# Allegro board BeagleV-FIRE_REV-A_230911.brd (continued)
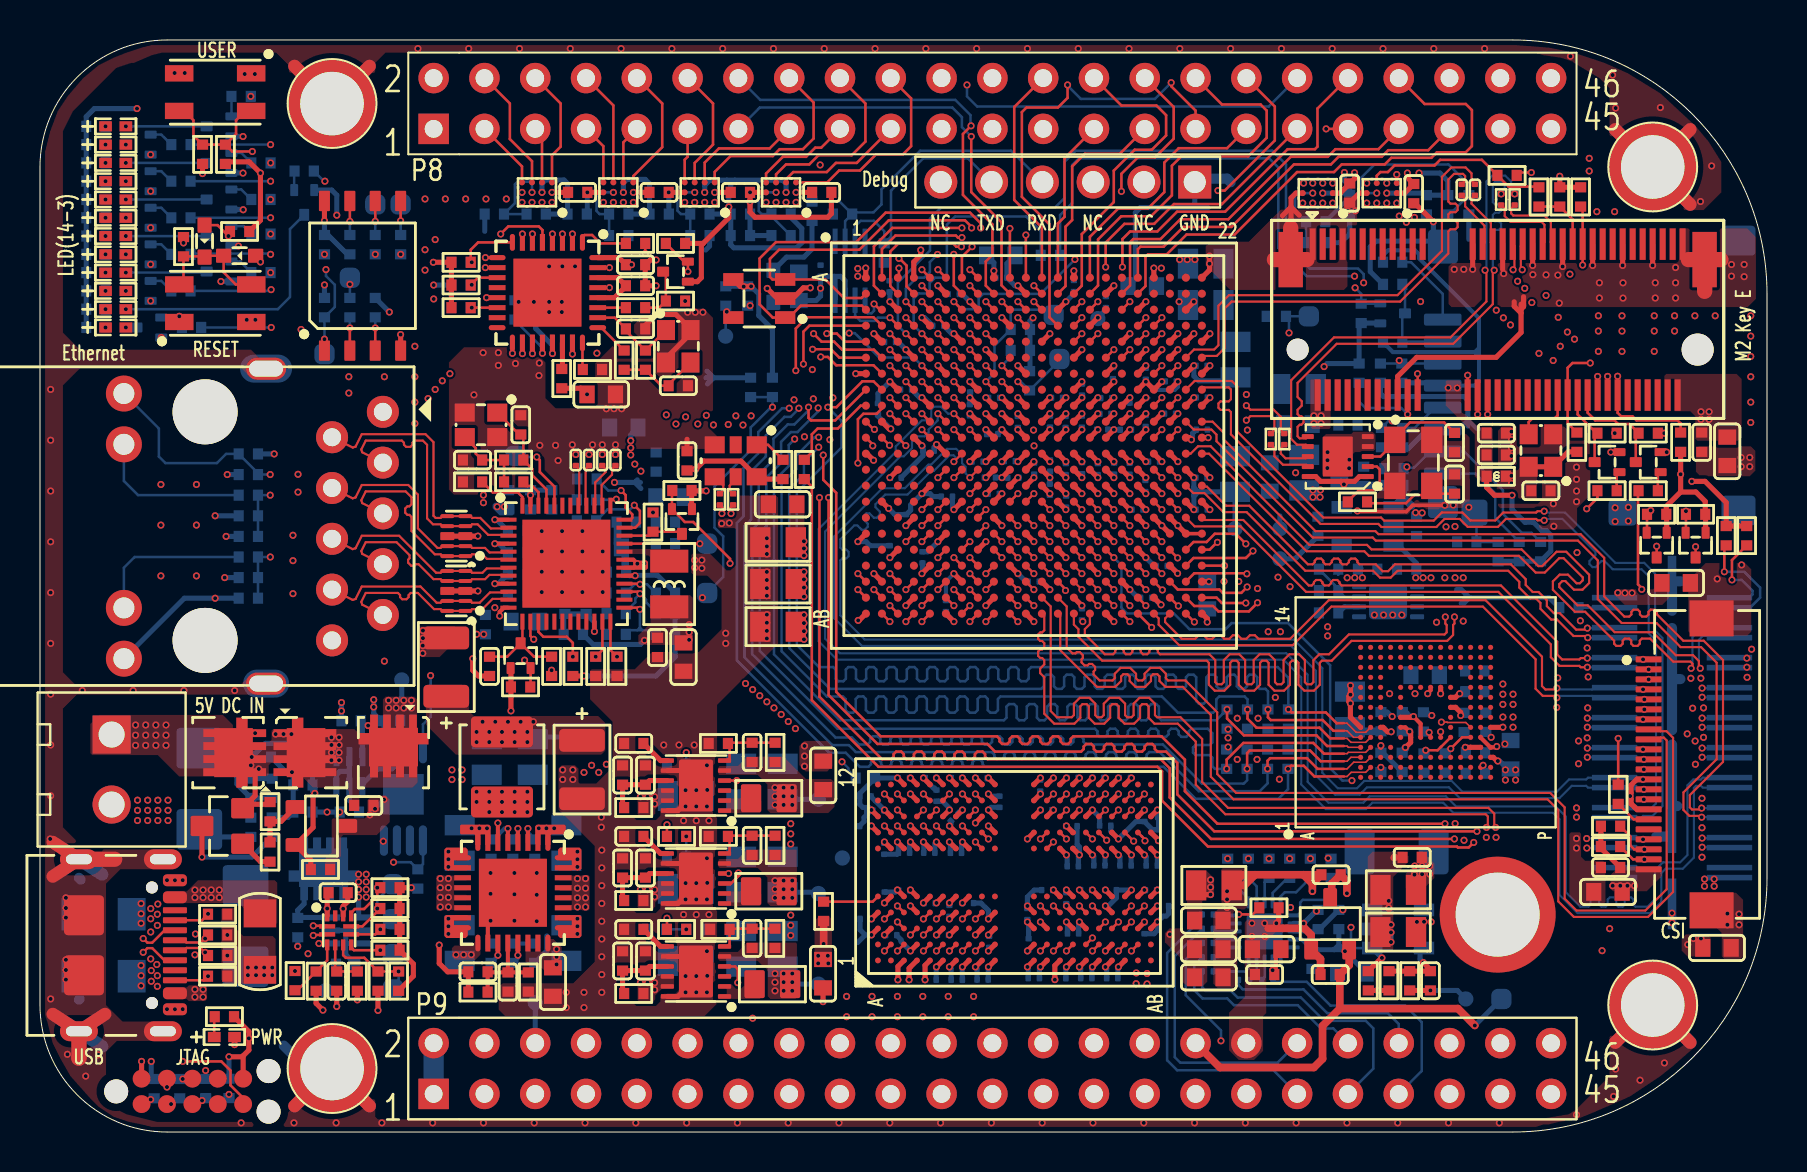
[diagram p0: board, top side]
## Routing (per net, layer and track width the routed paths; a pad name or vN(x,y) marks a point on that pad's centre or on a via; arc(x,y) is an arc through that point) (continued)
JTAT_TMS: length 78.9
  TOP w0.127: J3.5 10.16,1.7 9.53,2.34 9.53,3.07 9.07,3.53 v1(7.14,3.53) ; U1.F8 v1(46.5,39.12)
  L3_SIG1 w0.102: v1(36.35,21.51) 36.08,21.25 26.64,21.25 25.51,22.38 25.24,22.38 25.12,22.5 21.48,22.5 18.39,19.42 18.39,13.13 17.8,12.54 17.8,11.62 18.39,11.04 18.39,9.22 17.24,8.07 14.08,8.07 12.9,6.88 10.03,6.88 7.14,3.99 v1(7.14,3.53)
  L5_SIG2 w0.102: v1(36.35,21.51) 36.35,22.57 37.78,24 37.78,30.73 37.55,30.96 37.55,32.45 34.8,35.21 v1(34.8,35.81)
  L10_SIG3 w0.102: v1(34.8,35.81) 34.8,36.19 35.59,36.98 36.83,36.98 37.19,37.34 38.1,37.34 38.18,37.41 38.95,37.41 40.24,38.71 46.09,38.71 v1(46.5,39.12)
JTAT_TRSTB: length 76.6
  TOP w0.127: v1(7.14,2.65) 7.58,2.65 arc(7.6,2.66) J3.8 ; U1.G8 v1(46.5,38.32)
  L3_SIG1 w0.102: v1(7.14,2.65) 7.49,3.01 7.49,3.79 10.23,6.53 13.05,6.53 14.23,7.71 17.26,7.71 17.49,7.48 18.26,7.48 18.75,7.97 18.75,11.18 18.16,11.77 18.16,12.39 18.75,12.98 18.75,19.27 21.63,22.15 24.97,22.15 25.1,22.02 25.36,22.02 26.49,20.89 36.39,20.89 v1(36.7,21.21)
  L5_SIG2 w0.102: v1(36.7,21.21) 36.7,22.42 38.6,24.31 38.6,30.42 37.91,31.1 37.91,32.6 v1(35.15,35.36)
  L10_SIG3 w0.102: v1(46.5,38.32) 46.08,37.9 42.18,37.9 41.81,37.53 39.56,37.53 39.09,37.06 38.32,37.06 38.25,36.98 37.34,36.98 36.98,36.63 35.74,36.63 35.15,36.04 v1(35.15,35.36)
  BOTTOM w0.127: R17.1 v1(7.14,2.65)
LPDDR4_CA0: length 48.4
  TOP w0.127: U1.T5 v1(44.1,30.32) ; U2.R2 v1(50.68,9.05) ; U2.H2 v1(46.13,9.05)
  L5_SIG2 w0.102: v1(44.1,30.32) 43.87,30.32 42.5,31.69 41.51,31.69 41,31.18 41,30.07 41.27,29.8 41.27,25.24 41,24.97 41,23.08 41.1,22.98 41.38,22.98 41.48,22.87 41.48,22.67 41.38,22.57 41.1,22.57 41,22.47 41,22.27 41.1,22.16 41.38,22.16 41.48,22.06 41.48,21.86 41.38,21.76 41.1,21.76 41,21.66 41,21.45 41.1,21.35 41.38,21.35 41.48,21.25 41.48,21.05 41.38,20.94 41.1,20.94 41,20.84 41,20.64 41.1,20.54 41.38,20.54 41.48,20.44 41.48,20.23 41.38,20.13 41.1,20.13 41,20.03 41,19.83 41.1,19.73 41.38,19.73 41.48,19.62 41.48,19.42 41.38,19.32 41.1,19.32 41,19.22 41,19.01 41.1,18.91 41.38,18.91 41.48,18.81 41.48,18.61 41.38,18.51 41.1,18.51 41,18.4 41,18.2 41.1,18.1 41.38,18.1 41.48,18 41.48,17.79 41.38,17.69 41.1,17.69 41,17.59 41,13.15 42.57,11.58 42.57,11.18 42.75,11 43.04,11 43.04,11 47.64,11 47.77,10.86 47.77,9.14 48.29,8.62 50.07,8.62 50.51,9.05 v1(50.68,9.05)
  L8_PWR2 w0.102: v1(50.68,9.05) 50.18,9.55 49.13,9.55 49.03,9.45 49.03,9.09 48.93,8.99 48.73,8.99 48.63,9.09 48.63,9.45 48.52,9.55 48.32,9.55 48.22,9.45 48.22,9.09 48.12,8.99 47.91,8.99 47.81,9.09 47.81,9.45 47.71,9.55 46.62,9.55 v1(46.13,9.05)
LPDDR4_CA1: length 48.6
  TOP w0.127: U2.J2 v1(46.78,9.05) ; U1.T6 v1(44.9,30.32) ; U2.P2 v1(50.03,9.05)
  L5_SIG2 w0.102: v1(44.9,30.32) 44.49,29.92 43.08,29.92 42.9,29.73 42.76,29.73 42.53,29.96 42.39,29.96 42.25,29.82 42.25,29.67 42.47,29.45 42.47,29.3 42.06,28.89 42.06,26.98 41.92,26.84 41.92,24.93 41.82,24.83 41.63,24.83 41.53,24.73 41.53,24.52 41.63,24.42 41.82,24.42 41.92,24.32 41.92,24.12 41.82,24.01 41.63,24.01 41.53,23.91 41.53,23.71 41.63,23.61 41.82,23.61 41.92,23.51 41.92,22.83 42.02,22.73 42.27,22.73 42.37,22.63 42.37,22.42 42.27,22.32 42.02,22.32 41.92,22.22 41.92,22.02 42.02,21.92 42.27,21.92 42.37,21.81 42.37,21.61 42.27,21.51 42.02,21.51 41.92,21.41 41.92,17.88 42.02,17.77 42.42,17.77 42.52,17.67 42.52,17.47 42.42,17.37 42.02,17.37 41.92,17.27 41.92,17.02 41.82,16.92 41.52,16.92 41.41,16.82 41.41,16.61 41.52,16.51 41.82,16.51 41.92,16.41 41.92,14.75 41.82,14.65 41.52,14.65 41.41,14.55 41.41,14.34 41.52,14.24 41.82,14.24 41.92,14.14 41.92,13.89 42.02,13.79 42.43,13.79 42.53,13.69 42.53,13.48 42.43,13.38 42.02,13.38 41.92,13.28 41.92,12.97 42.48,12.41 44.14,12.41 44.24,12.31 44.24,12.09 44.34,11.99 44.54,11.99 44.65,12.09 44.65,12.31 44.75,12.41 44.95,12.41 45.05,12.31 45.05,12.09 45.15,11.99 45.36,11.99 45.46,12.09 45.46,12.31 45.56,12.41 45.76,12.41 45.86,12.31 45.86,12.09 45.97,11.99 46.17,11.99 46.27,12.09 46.27,12.31 46.37,12.41 46.83,12.41 48.31,10.93 48.45,10.93 48.77,11.26 48.92,11.26 49.06,11.12 49.06,10.97 48.74,10.65 48.74,10.5 48.98,10.26 48.98,9.88 49.17,9.69 49.31,9.69 49.75,10.13 49.89,10.13 50.04,9.99 50.04,9.85 49.6,9.41 49.6,9.26 49.81,9.05 v1(50.03,9.05)
  L8_PWR2 w0.102: v1(46.78,9.05) 46.78,8.98 47.1,8.65 47.1,7.94 47.29,7.75 48.15,7.75 48.25,7.86 48.25,8.43 48.35,8.53 48.55,8.53 48.65,8.43 48.65,7.86 48.76,7.75 49.53,7.75 49.7,7.93 49.7,8.55 49.8,8.65 49.97,8.65 50.07,8.76 50.07,9.01 v1(50.03,9.05)
LPDDR4_CA2: length 47.8
  TOP w0.127: U2.R9 v1(51.33,14.65) ; U1.V7 v1(46.5,29.52) ; U2.H9 v1(46.13,15.3)
  L5_SIG2 w0.102: v1(51.33,14.65) 51.65,14.33 51.65,13.75 51.81,13.59 51.81,13.45 51.59,13.23 51.59,13.09 51.74,12.94 51.88,12.94 52.1,13.16 52.24,13.16 52.4,13 52.68,13 52.78,12.9 52.78,12.6 52.88,12.49 53.08,12.49 53.18,12.6 53.18,12.9 53.29,13 53.49,13 53.59,12.9 53.59,12.6 53.69,12.49 53.9,12.49 54,12.6 54,12.9 54.1,13 54.38,13 54.91,13.54 54.91,14.03 54.71,14.24 54.56,14.24 54.25,14.55 54.25,15.02 54.35,15.12 54.61,15.12 54.71,15.22 54.71,15.43 54.61,15.53 54.35,15.53 54.25,15.63 54.25,17.84 53.44,18.65 53.3,18.65 53.04,18.39 52.9,18.39 52.76,18.54 52.76,18.68 53.01,18.94 53.01,19.08 52.87,19.23 52.73,19.23 52.24,18.74 52.1,18.74 51.95,18.88 51.95,19.03 52.44,19.51 52.44,19.66 52.29,19.8 52.15,19.8 51.88,19.52 51.73,19.52 51.59,19.67 51.59,19.81 51.86,20.09 51.86,20.23 51.72,20.38 51.58,20.38 51.26,20.06 51.12,20.06 50.98,20.21 50.98,20.35 51.29,20.66 51.29,20.81 51.14,20.95 51,20.95 50.69,20.64 50.55,20.64 50.4,20.78 50.4,20.93 50.71,21.24 50.71,21.38 50.57,21.53 50.43,21.53 50.11,21.21 49.97,21.21 49.83,21.36 49.83,21.5 50.14,21.81 50.14,21.96 49.99,22.1 49.85,22.1 49.54,21.79 49.4,21.79 49.25,21.93 49.25,22.08 49.56,22.39 49.56,22.53 49.42,22.68 49.28,22.68 48.96,22.36 48.82,22.36 48.68,22.51 48.68,22.65 48.99,22.96 48.99,23.11 48.84,23.25 48.7,23.25 48.39,22.94 48.25,22.94 48.1,23.08 48.1,23.23 48.41,23.54 48.41,23.68 48.27,23.83 48.13,23.83 47.81,23.51 47.67,23.51 47.53,23.66 47.53,23.8 47.84,24.11 47.84,24.26 47.69,24.4 47.55,24.4 47.24,24.09 47.1,24.09 46.95,24.23 46.95,24.38 47.26,24.69 47.26,24.83 46.9,25.19 46.9,28.25 47,28.35 47.1,28.35 47.2,28.45 47.2,28.66 47.1,28.76 47,28.76 46.9,28.86 46.9,29.12 v1(46.5,29.52)
  L8_PWR2 w0.102: v1(51.33,14.65) 51.33,14.88 51.22,14.98 48.93,14.98 48.83,14.88 48.83,14.44 48.7,14.31 48.55,14.31 48.41,14.46 48.41,14.86 48.29,14.98 46.25,14.98 46.13,15.1 v1(46.13,15.3)
LPDDR4_CA3: length 48.1
  TOP w0.127: U1.V6 v1(44.9,28.72) ; U2.R10 v1(51.33,16.1) ; U2.H10 v1(46.78,16.1)
  L5_SIG2 w0.102: v1(51.33,16.1) 51.33,16.13 50.99,16.47 49.67,16.47 49.67,16.46 49.15,15.93 48.75,15.93 48.58,16.1 48.58,16.76 48.69,16.86 49.19,16.86 49.29,16.96 49.29,17.16 49.19,17.26 48.69,17.26 48.58,17.37 48.58,17.57 48.69,17.67 49.19,17.67 49.29,17.77 49.29,17.98 49.19,18.08 48.69,18.08 47.98,18.78 46.53,18.78 46.43,18.88 46.43,19.47 46.33,19.58 46.13,19.58 46.02,19.47 46.02,18.88 45.92,18.78 45.72,18.78 45.62,18.88 45.62,19.47 45.52,19.58 45.31,19.58 45.21,19.47 45.21,18.88 45.11,18.78 43.19,18.78 43.12,18.85 43.12,19.33 43.22,19.43 44.5,19.43 44.63,19.56 44.63,19.73 44.53,19.84 43.22,19.84 43.12,19.94 43.12,20.14 43.22,20.24 44.5,20.24 44.63,20.37 44.63,20.58 44.53,20.68 43.7,20.68 43.6,20.78 43.6,20.98 43.7,21.09 44.53,21.09 44.63,21.19 44.63,21.39 44.53,21.49 43.7,21.49 43.6,21.59 43.6,21.8 43.7,21.9 44.53,21.9 44.63,22 44.63,22.2 44.53,22.31 43.7,22.31 43.6,22.41 43.6,22.61 43.7,22.71 44.53,22.71 44.63,22.81 44.63,23.02 44.53,23.12 43.7,23.12 43.6,23.22 43.6,23.42 43.7,23.52 44.53,23.52 44.63,23.63 44.63,23.83 44.53,23.93 43.7,23.93 43.6,24.03 43.6,24.4 44.5,25.3 44.5,28.27 44.2,28.57 44.2,28.74 44.46,28.99 44.6,28.99 44.87,28.72 v1(44.9,28.72)
  L8_PWR2 w0.102: v1(51.33,16.1) 51.33,15.96 51.16,15.8 50.87,15.8 50.76,15.68 50.76,15.56 50.64,15.45 50.47,15.45 50.35,15.56 50.35,15.68 50.23,15.8 49.82,15.8 49.7,15.68 49.7,15.51 49.59,15.39 49.42,15.39 49.3,15.51 49.3,15.68 49.18,15.8 49.01,15.8 48.89,15.68 48.89,15.51 48.77,15.39 48.6,15.39 48.49,15.51 48.49,15.68 48.37,15.8 48.2,15.8 48.08,15.68 48.08,15.51 47.96,15.39 47.79,15.39 47.67,15.51 47.67,15.68 47.55,15.8 47.08,15.8 v1(46.78,16.1)
LPDDR4_CA4: length 48.7
  TOP w0.127: U2.R11 v1(51.33,16.9) ; U1.R6 v1(44.9,31.12) ; U2.H11 v1(46.13,16.9)
  L5_SIG2 w0.102: v1(51.33,16.9) 51.73,16.5 52.01,16.5 52.3,16.21 52.3,15.84 52.4,15.74 52.5,15.74 52.61,15.64 52.61,15.44 52.5,15.33 52.1,15.33 52,15.23 52,15.03 52.1,14.93 52.2,14.93 52.3,14.83 52.3,13.71 52.6,13.41 53.97,13.41 54.27,13.71 54.27,13.95 53.94,14.29 53.18,14.29 53.01,14.45 53.01,14.86 53.6,15.45 53.6,17.03 53.29,17.34 51.1,17.34 50.99,17.46 50.99,17.97 51.44,18.42 51.44,19.17 50.77,19.84 50.63,19.84 50.56,19.77 50.41,19.77 50.27,19.91 50.27,20.05 50.34,20.12 50.34,20.27 50.2,20.41 50.05,20.41 49.98,20.34 49.84,20.34 49.69,20.48 49.69,20.63 49.77,20.7 49.77,20.84 49.62,20.99 49.48,20.99 49.26,20.77 49.12,20.77 48.97,20.91 48.97,21.06 49.19,21.27 49.19,21.42 49.05,21.56 48.9,21.56 48.62,21.27 48.47,21.27 48.33,21.42 48.33,21.56 48.62,21.85 48.62,21.99 48.47,22.14 48.33,22.14 48.04,21.85 47.9,21.85 47.75,21.99 47.75,22.14 48.04,22.42 48.04,22.57 47.9,22.71 47.75,22.71 47.47,22.42 47.32,22.42 47.18,22.57 47.18,22.71 47.47,23 47.47,23.14 47.32,23.29 47.18,23.29 46.89,23 46.75,23 46.6,23.14 46.6,23.29 46.89,23.57 46.89,23.72 46.75,23.86 46.6,23.86 46.32,23.57 46.17,23.57 46.03,23.72 46.03,23.86 46.32,24.15 46.32,24.29 46.1,24.51 46.1,29.02 46,29.12 45.86,29.12 45.76,29.23 45.76,29.43 45.86,29.53 46,29.53 46.1,29.63 46.1,29.84 46,29.94 45.86,29.94 45.76,30.04 45.76,30.24 45.86,30.34 46.73,30.34 46.84,30.45 46.84,30.65 46.73,30.75 46.2,30.75 46.1,30.85 46.1,31.23 45.85,31.48 45.26,31.48 v1(44.9,31.12)
  L8_PWR2 w0.102: v1(46.13,16.9) 46.44,16.59 47.61,16.59 47.73,16.47 47.73,16.41 47.85,16.29 48.02,16.29 48.13,16.41 48.13,16.55 48.26,16.68 48.42,16.68 48.54,16.56 48.54,16.41 48.66,16.29 48.83,16.29 48.95,16.41 48.95,16.55 49.07,16.68 49.24,16.68 49.35,16.56 49.35,16.41 49.47,16.29 49.64,16.29 49.76,16.41 49.76,16.47 49.88,16.59 51.01,16.59 v1(51.33,16.9)
LPDDR4_CA5: length 48.5
  TOP w0.127: U1.R5 v1(44.1,31.12) ; U2.J11 v1(46.78,16.9) ; U2.P11 v1(50.68,16.9)
  L5_SIG2 w0.102: v1(44.1,31.12) 44.51,30.72 45.1,30.72 45.3,30.52 45.3,26.39 45.2,26.29 45.03,26.29 44.93,26.19 44.93,25.99 45.03,25.88 45.2,25.88 45.3,25.78 45.3,25.42 45.03,25.15 45.03,24.85 45.14,24.75 45.54,24.75 45.64,24.65 45.64,24.44 45.54,24.34 45.14,24.34 45.03,24.24 45.03,23.25 45.25,23.04 45.39,23.04 45.68,23.32 45.83,23.32 45.97,23.18 45.97,23.04 45.14,22.21 45.14,22.06 45.29,21.92 45.43,21.92 46.26,22.75 46.4,22.75 46.54,22.6 46.54,22.46 45.34,21.26 45.34,21.11 45.48,20.97 45.63,20.97 46.83,22.17 46.98,22.17 47.12,22.03 47.12,21.89 46.18,20.95 46.18,20.81 46.33,20.66 46.47,20.66 47.41,21.6 47.55,21.6 47.69,21.45 47.69,21.31 46.76,20.38 46.76,20.23 46.9,20.09 47.05,20.09 47.98,21.02 48.13,21.02 48.27,20.88 48.27,20.74 47.33,19.8 47.33,19.66 47.48,19.51 47.62,19.51 48.6,20.49 48.75,20.49 48.89,20.35 48.89,20.21 48.12,19.43 48.12,19.29 48.26,19.15 48.41,19.15 49.35,20.09 49.49,20.09 49.63,19.94 49.63,19.8 48.7,18.87 48.7,18.72 48.84,18.58 48.99,18.58 49.92,19.51 50.07,19.51 50.21,19.37 50.21,19.23 49.71,18.72 49.71,18.58 50.35,17.93 50.35,17.23 v1(50.68,16.9)
  L8_PWR2 w0.102: v1(50.68,16.9) 50.28,17.3 49.37,17.3 49.27,17.41 49.27,17.96 49.17,18.06 48.97,18.06 48.86,17.96 48.86,17.41 48.76,17.3 48.56,17.3 48.46,17.41 48.46,17.96 48.36,18.06 48.15,18.06 48.05,17.96 48.05,17.41 47.95,17.3 47.18,17.3 v1(46.78,16.9)
LPDDR4_CK_N: length 48.1
  TOP w0.127: U2.P9 v1(50.03,14.65) ; U2.J9 v1(47.43,14.65) ; U1.U4 v1(43.3,29.52)
  L5_SIG2 w0.086: v1(43.3,29.52) 43.52,29.3 43.52,29.09 42.85,28.42 42.85,24.81 42.77,24.73 42.76,24.73 42.67,24.64 42.67,24.42 42.76,24.34 42.77,24.34 42.85,24.25 42.85,24.03 42.77,23.95 42.76,23.95 42.67,23.86 42.67,23.64 42.76,23.55 42.77,23.55 42.85,23.47 42.85,21.33 42.33,20.81 42.33,18.58 42.85,18.06 47.6,18.06 47.84,17.83 47.84,14.38 47.52,14.06 43.3,14.06 43.03,13.79 43.03,13.17 43.3,12.9 47.06,12.9 48.15,11.81 49.35,11.81 49.96,12.42 49.96,13 49.55,13.41 49.55,13.53 49.61,13.59 49.61,13.72 49.48,13.84 49.36,13.84 49.3,13.78 49.18,13.78 48.9,14.06 48.9,14.81 49.28,15.19 50.11,15.19 50.21,15.09 50.21,14.84 v1(50.03,14.65)
  L8_PWR2 w0.086: v1(47.43,14.65) 47.43,14.3 47.69,14.04 48.15,14.04 48.42,13.77 48.42,13.09 48.65,12.86 50.28,12.86 50.36,12.94 50.36,13.38 50.22,13.51 49.97,13.51 49.89,13.6 49.89,13.82 49.97,13.91 50.28,13.91 50.36,13.99 50.36,14.32 v1(50.03,14.65)
LPDDR4_CK_P: length 48
  TOP w0.127: U2.P8 v1(50.68,14.5) ; U2.J8 v1(46.78,14.5) ; U1.U5 v1(44.1,29.52)
  L5_SIG2 w0.086: v1(50.68,14.5) 50.68,15.06 50.52,15.21 50.52,15.22 50.24,15.5 49.15,15.5 48.59,14.94 48.59,13.93 49.65,12.87 49.65,12.55 49.22,12.12 48.28,12.12 47.19,13.22 43.43,13.22 43.34,13.3 43.34,13.66 43.43,13.74 47.65,13.74 48.15,14.24 48.15,17.96 47.74,18.38 42.98,18.38 42.65,18.71 42.65,20.68 43.17,21.2 43.17,24.9 43.65,25.38 43.65,25.39 43.65,25.4 43.65,27.26 43.17,27.75 43.17,28.29 43.84,28.96 43.84,29.26 v1(44.1,29.52)
  L8_PWR2 w0.086: v1(50.68,14.5) 50.68,12.81 50.41,12.54 48.52,12.54 48.11,12.96 48.11,13.64 48.02,13.72 47.56,13.72 v1(46.78,14.5)
LPDDR4_CKE0_A: length 43.9
  TOP w0.127: U2.J4 v1(46.78,10.65) ; U2.P4 v1(50.03,11.3) ; v1(41.73,35.14) 41.69,35.14 U1.K1
  L5_SIG2 w0.102: v1(50.03,11.3) 50.49,11.76 53.77,11.76 55.56,13.55 55.56,17.49 54.64,18.41 54.64,18.44 47.66,25.42 47.66,31.03 47.66,32.07 47.45,32.28 46.65,32.28 46.57,32.36 44.66,32.36 42.89,34.13 42.89,34.56 42.69,34.76 42.28,34.76 41.91,35.13 41.74,35.13 v1(41.73,35.14)
  L8_PWR2 w0.102: v1(46.78,10.65) 46.78,10.73 47,10.95 47,11.93 47.2,12.13 47.65,12.13 48.28,11.5 48.28,10.76 48.38,10.66 48.69,10.66 48.8,10.76 48.8,11.63 48.9,11.73 49.6,11.73 v1(50.03,11.3)
LPDDR4_CS0_A: length 45.6
  TOP w0.127: U1.L3 v1(43.3,34.33) ; U2.R4 v1(50.68,11.3) ; U2.H4 v1(46.13,10.65)
  L5_SIG2 w0.102: v1(43.3,34.33) 43.74,33.88 48.4,33.88 48.5,33.78 48.5,25.3 56.28,17.52 56.28,11.01 56.18,10.9 51.08,10.9 v1(50.68,11.3)
  L8_PWR2 w0.102: v1(46.13,10.65) 46.59,11.12 46.59,12.56 46.75,12.71 47.64,12.71 48.22,12.14 49.97,12.14 50.68,11.43 v1(50.68,11.3)
LPDDR4_DMI0: length 30.9
  TOP w0.127: U2.C3 v1(42.88,10.5) ; U1.AB4 v1(43.3,25.52)
  L3_SIG1 w0.102: v1(43.3,25.52) 43.3,25.23 45.34,23.19 45.34,22.28 45.45,22.18 46.26,22.18 46.37,22.08 46.37,21.88 46.26,21.77 45.45,21.77 45.34,21.67 45.34,21.47 45.45,21.37 46.13,21.37 46.23,21.26 46.23,21.06 46.13,20.96 45.45,20.96 45.34,20.86 45.34,20.65 45.45,20.55 46.06,20.55 46.16,20.45 46.16,20.25 46.06,20.15 45.45,20.15 45.34,20.05 45.34,19.42 43.86,17.94 43.86,13.25 43.96,13.15 46.01,13.15 46.14,13.01 46.14,12.84 46.04,12.74 43.88,12.74 43.78,12.64 43.78,12.44 43.88,12.34 45.68,12.34 45.79,12.23 45.79,12.03 45.68,11.93 43.96,11.93 43.86,11.83 43.86,11.16 43.43,10.74 43.11,10.74 v1(42.88,10.5)
LPDDR4_DMI1: length 29.8
  TOP w0.127: U2.C10 v1(42.88,16.1) ; U1.AA7 v1(45.7,27.12)
  L10_SIG3 w0.102: v1(42.88,16.1) 42.88,16.43 43.21,16.76 43.21,17.81 43,18.01 42.75,18.01 42.75,18.01 42.02,18.01 40.7,19.33 40.32,19.33 39.98,19.67 39.98,23 40.08,23.1 40.47,23.1 40.57,23.2 40.57,23.41 40.47,23.51 40.02,23.51 39.91,23.61 39.91,24 40.03,24.12 40.47,24.12 40.58,24.22 40.58,24.42 40.47,24.52 40.02,24.52 39.91,24.62 39.91,24.82 40.03,24.93 40.47,24.93 40.58,25.03 40.58,25.23 40.47,25.34 40.02,25.34 39.91,25.44 39.91,25.83 40.05,25.97 41,25.97 41.1,26.07 41.1,26.28 41,26.38 40.02,26.38 39.91,26.48 39.91,26.64 40.03,26.76 40.39,26.76 40.49,26.86 40.49,27.06 40.39,27.16 40.02,27.16 39.91,27.27 39.91,27.75 40.92,28.76 41.22,28.76 41.88,29.42 42.33,29.42 42.98,28.76 44.01,28.76 44.4,28.37 45.19,28.37 45.24,28.32 45.87,28.32 46.1,28.09 46.1,27.28 45.94,27.12 v1(45.7,27.12)
LPDDR4_DMI2: length 29.5
  TOP w0.127: U1.Y10 v1(48.9,27.12) ; U2.Y3 v1(54.58,10.5)
  L3_SIG1 w0.102: v1(54.58,10.5) 54.95,10.13 56,10.13 58.11,12.25 58.11,12.91 58.57,13.37 58.57,21.43 55.15,24.85 53.12,24.85 52.5,25.48 52.5,27.28 52.21,27.57 51.15,27.57 50.9,27.81 50.9,28.04 50.66,28.28 49.46,28.28 49.27,28.08 49.27,27.49 v1(48.9,27.12)
LPDDR4_DMI3: length 30
  TOP w0.127: U2.Y10 v1(54.58,16.1) ; U1.T10 v1(48.9,30.32)
  L10_SIG3 w0.102: v1(48.9,30.32) 48.85,30.32 48.48,29.96 47.81,29.96 47.66,29.81 47.66,29.29 47.72,29.23 47.72,28.27 47.66,28.21 47.66,27.04 48.06,26.64 48.06,26.01 48.06,26.01 48.06,25.21 47.75,24.9 47.75,20.54 48.56,19.72 48.56,16.93 48.99,16.5 48.99,16.03 49.39,15.63 49.39,15.1 49.07,14.78 49.07,14.53 49.35,14.25 49.35,13.08 49.43,13 49.68,13 49.76,13.08 49.76,14.17 49.86,14.28 50.06,14.28 50.17,14.17 50.17,13.11 50.27,13.01 50.47,13.01 50.57,13.11 50.57,13.95 50.67,14.06 50.88,14.06 51.08,14.25 51.65,14.25 51.94,14.54 51.94,14.88 52.3,15.24 52.84,15.24 53,15.41 53.84,15.41 54.54,16.1 v1(54.58,16.1)
LPDDR4_DQ0: length 30.7
  TOP w0.127: U2.B2 v1(42.23,9.05) ; U1.Y3 v1(42.5,27.92)
  L3_SIG1 w0.102: v1(42.5,27.92) 42.5,27.67 42.4,27.57 41.62,27.57 41.34,27.29 41.34,26.76 40.71,26.13 40.57,26.13 40.36,26.35 40.21,26.35 40.07,26.2 40.07,26.06 40.28,25.84 40.28,25.7 39.95,25.36 39.95,24.73 40.05,24.62 40.86,24.62 40.96,24.52 40.96,24.32 40.86,24.22 40.05,24.22 39.95,24.12 39.95,23.91 40.05,23.81 40.8,23.81 40.9,23.71 40.9,23.51 40.8,23.41 40.05,23.41 39.95,23.3 39.95,23.1 40.05,23 40.76,23 40.86,22.9 40.86,22.69 40.76,22.59 40.05,22.59 39.95,22.49 39.95,22.29 40.05,22.19 40.76,22.19 40.86,22.08 40.86,21.88 40.76,21.78 40.05,21.78 39.95,21.68 39.95,21.27 39.44,20.77 39.44,10.98 41.36,9.05 v1(42.23,9.05)
LPDDR4_DQ1: length 30.9
  TOP w0.127: U2.C2 v1(42.88,9.05) ; U1.Y4 v1(43.3,27.12)
  L3_SIG1 w0.102: v1(42.88,9.05) 43.2,9.37 47.49,9.37 47.65,9.53 47.84,9.53 48.69,8.68 48.83,8.68 48.97,8.83 48.97,8.97 48.1,9.84 48.1,9.98 48.65,10.53 48.65,21.94 46.05,24.54 46.05,24.68 46.19,24.83 46.19,24.97 46.05,25.11 45.9,25.11 45.76,24.97 45.62,24.97 45.34,25.25 45.34,27.19 45.05,27.48 43.66,27.48 v1(43.3,27.12)
LPDDR4_DQ2: length 29.9
  TOP w0.127: U2.E2 v1(44.18,9.05) ; U1.Y1 v1(40.9,27.92)
  L3_SIG1 w0.102: v1(40.9,27.92) 40.73,27.92 40.19,27.38 40.19,27.24 40.26,27.17 40.26,27.02 40.12,26.88 39.97,26.88 39.9,26.95 39.76,26.95 39.61,26.81 39.61,26.66 39.69,26.59 39.69,26.45 39.54,26.3 39.4,26.3 39.33,26.38 39.18,26.38 39.03,26.23 39.03,25.44 39.13,25.33 39.44,25.33 39.54,25.23 39.54,25.03 39.44,24.93 39.13,24.93 39.03,24.83 39.03,24.62 39.13,24.52 39.44,24.52 39.54,24.42 39.54,24.22 39.44,24.11 39.13,24.11 39.03,24.01 39.03,23.81 39.13,23.71 39.44,23.71 39.54,23.61 39.54,23.4 39.44,23.3 39.13,23.3 39.03,23.2 39.03,23 39.13,22.9 39.44,22.9 39.54,22.79 39.54,22.59 39.44,22.49 39.13,22.49 39.03,22.39 39.03,22.18 39.13,22.08 39.44,22.08 39.54,21.98 39.54,21.78 39.44,21.68 39.13,21.68 39.03,21.57 39.03,10.8 41.19,8.64 43.77,8.64 v1(44.18,9.05)
LPDDR4_DQ3: length 29.3
  TOP w0.127: U1.AA1 v1(40.9,27.12) ; U2.F2 v1(44.83,9.05)
  L3_SIG1 w0.102: v1(44.83,9.05) 43.72,7.95 41.25,7.95 38.63,10.58 38.63,26.4 40.56,28.33 41.07,28.33 41.31,28.1 41.31,27.83 40.94,27.46 40.94,27.16 v1(40.9,27.12)
LPDDR4_DQ4: length 31
  TOP w0.127: U2.F4 v1(44.83,10.65) ; U1.Y5 v1(44.1,27.12)
  L3_SIG1 w0.102: v1(44.83,10.65) 45.23,10.25 47.67,10.25 48.24,10.83 48.24,11.11 48.14,11.21 48.04,11.21 47.94,11.31 47.94,11.52 48.04,11.62 48.14,11.62 48.24,11.72 48.24,11.92 48.14,12.02 48.04,12.02 47.94,12.13 47.94,12.33 48.04,12.43 48.14,12.43 48.24,12.53 48.24,12.74 48.14,12.84 48.04,12.84 47.94,12.94 47.94,13.14 48.04,13.24 48.14,13.24 48.24,13.35 48.24,13.63 47.68,14.18 45.36,14.18 45.16,14.39 45.16,14.67 45.46,14.98 47.66,14.98 48.22,15.54 48.22,16.2 48.12,16.3 48.02,16.3 47.92,16.41 47.92,16.61 48.02,16.71 48.12,16.71 48.22,16.81 48.22,17.02 48.12,17.12 48.02,17.12 47.92,17.22 47.92,17.42 48.02,17.52 48.12,17.52 48.22,17.63 48.22,18.86 48.12,18.97 48.02,18.97 47.92,19.07 47.92,19.27 48.02,19.37 48.12,19.37 48.22,19.47 48.22,19.68 48.12,19.78 48.02,19.78 47.92,19.88 47.92,20.08 48.02,20.19 48.12,20.19 48.22,20.29 48.22,20.49 48.12,20.59 48.02,20.59 47.92,20.69 47.92,20.9 48.02,21 48.12,21 48.22,21.1 48.22,21.68 44.54,25.36 44.54,26.69 v1(44.1,27.12)
LPDDR4_DQ5: length 31
  TOP w0.127: U1.AA5 v1(44.1,26.32) ; U2.E4 v1(44.18,10.65)
  L3_SIG1 w0.102: v1(44.18,10.65) 44.61,11.09 46.2,11.09 46.63,11.52 46.63,12.16 46.73,12.26 47.16,12.26 47.27,12.36 47.27,12.57 47.16,12.67 46.76,12.67 46.63,12.79 46.63,13.1 46.06,13.67 45.2,13.67 44.5,14.37 44.5,15.44 44.84,15.78 46.88,15.78 47.1,16 47.1,16.32 46.92,16.5 45.45,16.5 45.35,16.6 45.35,16.6 45.17,16.78 45.17,18.47 45.44,18.74 45.58,18.74 45.65,18.67 45.79,18.67 45.94,18.81 45.94,18.95 45.81,19.09 45.81,19.23 45.95,19.37 46.09,19.37 46.44,19.03 46.59,19.03 46.73,19.17 46.73,19.31 46.37,19.67 46.37,19.82 46.51,19.96 46.66,19.96 47.02,19.6 47.16,19.6 47.3,19.74 47.3,19.89 47.02,20.18 47.02,20.32 47.23,20.54 47.23,20.97 47.13,21.07 46.79,21.07 46.69,21.18 46.69,21.38 46.79,21.48 47.13,21.48 47.23,21.58 47.23,21.89 43.74,25.38 43.74,25.96 v1(44.1,26.32)
LPDDR4_DQ6: length 29.4
  TOP w0.127: U1.AB2 v1(42.5,25.52) ; U2.C4 v1(42.88,11.3)
  L3_SIG1 w0.102: v1(42.5,25.52) 42.5,25.32 43.62,24.2 43.62,23.6 43.72,23.5 44.38,23.5 44.49,23.39 44.49,23.2 44.39,23.09 43.7,23.09 43.59,22.99 43.59,22.79 43.7,22.69 44.84,22.69 44.94,22.59 44.94,22.38 44.84,22.28 43.72,22.28 43.62,22.18 43.62,21.98 43.72,21.87 44.84,21.87 44.94,21.77 44.94,21.57 44.84,21.47 43.72,21.47 43.62,21.37 43.62,21.16 43.72,21.06 44.84,21.06 44.94,20.96 44.94,20.76 44.84,20.66 43.72,20.66 43.62,20.55 43.62,20.35 43.72,20.25 44.84,20.25 44.94,20.15 44.94,19.94 44.84,19.84 43.63,19.84 43.53,19.74 43.53,19.54 43.63,19.44 44.22,19.44 44.32,19.33 44.32,19.13 44.22,19.03 43.72,19.03 43.62,18.93 43.62,18.71 43.21,18.31 43.21,17.61 43,17.4 42.86,17.4 42.53,17.07 42.53,14.42 43.21,13.74 43.21,12.93 42.57,12.29 42.57,11.61 v1(42.88,11.3)
LPDDR4_DQ7: length 30.2
  TOP w0.127: U2.B4 v1(42.23,10.65) ; U1.AB3 v1(42.5,26.32)
  L3_SIG1 w0.102: v1(42.23,10.65) 41.9,10.98 41.9,13.02 42,13.12 42.67,13.12 42.77,13.22 42.77,13.42 42.67,13.52 42,13.52 41.9,13.63 41.9,18.61 42,18.71 42.78,18.71 42.88,18.82 42.88,19.02 42.78,19.12 42,19.12 41.9,19.22 41.9,19.55 42.09,19.74 42.09,19.96 42.19,20.07 43.01,20.07 43.11,20.17 43.11,20.37 43.01,20.47 42.19,20.47 42.09,20.57 42.09,20.78 42.19,20.88 43.01,20.88 43.11,20.98 43.11,21.18 43.01,21.28 42.19,21.28 42.09,21.39 42.09,21.59 42.19,21.69 43.01,21.69 43.11,21.79 43.11,22 43.01,22.1 42.19,22.1 42.09,22.2 42.09,22.4 42.19,22.5 43.01,22.5 43.11,22.61 43.11,22.81 43.01,22.91 42.19,22.91 42.09,23.01 42.09,23.22 42.19,23.32 43.04,23.32 43.14,23.42 43.14,23.62 43.04,23.72 42.19,23.72 42.09,23.82 42.09,24.03 42.19,24.13 42.56,24.13 42.66,24.23 42.66,24.43 42.56,24.54 42.19,24.54 42.09,24.64 42.09,25.92 v1(42.5,26.32)
LPDDR4_DQ8: length 30.1
  TOP w0.127: U1.W8 v1(46.5,28.72) ; U2.B11 v1(42.23,16.9)
  L10_SIG3 w0.102: v1(42.23,16.9) 42.23,16.54 41.92,16.23 41.92,15.85 41.82,15.75 41.59,15.75 41.22,15.38 41.08,15.38 40.94,15.52 40.94,15.67 41.17,15.89 41.17,16.04 40.99,16.21 40.84,16.21 40.41,15.77 40.26,15.77 39.02,17.02 39.02,18.39 39.12,18.49 39.57,18.49 39.67,18.59 39.67,18.8 39.57,18.9 39.12,18.9 39.02,19 39.02,28.97 39.64,29.59 39.78,29.59 40.12,29.25 40.26,29.25 40.41,29.4 40.41,29.54 40.07,29.88 40.07,30.02 40.37,30.32 42.8,30.32 43.15,29.97 45.48,29.97 45.73,29.72 45.73,29.22 46.22,28.72 v1(46.5,28.72)
LPDDR4_DQ9: length 30
  TOP w0.127: U2.C11 v1(42.88,16.9) ; U1.W7 v1(45.7,28.72)
  L10_SIG3 w0.102: v1(45.7,28.72) 45.41,28.72 44.96,29.17 43.15,29.17 42.94,29.38 42.94,29.6 42.64,29.91 41.36,29.91 41.26,29.81 41.26,29.38 41.05,29.17 40.75,29.17 40.19,28.6 40.05,28.6 39.76,28.89 39.62,28.89 39.5,28.77 39.5,28.58 39.76,28.32 39.76,28.17 39.51,27.92 39.51,19.57 40.15,18.92 40.54,18.92 40.82,18.63 40.82,18.49 39.56,17.23 39.56,17.06 39.7,16.93 39.84,16.93 41.11,18.2 41.25,18.2 41.4,18.06 41.4,17.92 40.21,16.72 40.21,16.58 40.35,16.44 40.49,16.44 41.67,17.62 41.82,17.62 42.12,17.31 42.47,17.31 v1(42.88,16.9)
LPDDR4_DQ10: length 29.5
  TOP w0.127: U2.E11 v1(44.18,16.9) ; U1.AB5 v1(44.1,25.52)
  L10_SIG3 w0.102: v1(44.18,16.9) 43.83,17.25 43.83,17.92 43.71,18.03 43.55,18.03 43.17,18.42 42.19,18.42 40.87,19.73 40.49,19.73 40.39,19.84 40.39,20.04 40.49,20.14 40.9,20.14 40.99,20.23 40.99,20.46 40.9,20.55 40.49,20.55 40.39,20.65 40.39,20.85 40.49,20.95 40.85,20.95 40.95,21.06 40.95,21.26 40.85,21.36 40.49,21.36 40.39,21.46 40.39,21.67 40.49,21.77 40.74,21.77 40.84,21.87 40.84,22.07 40.74,22.17 40.49,22.17 40.39,22.27 40.39,22.48 40.49,22.58 40.87,22.58 40.97,22.68 40.97,24.04 40.98,24.05 40.98,24.9 40.99,24.91 40.99,25.11 41.68,25.8 41.68,26.64 41.34,26.98 41.34,28.31 41.63,28.6 42,28.6 42.1,28.5 42.1,26.08 42.25,25.92 42.74,25.92 42.9,26.09 42.9,28.23 43.03,28.36 43.6,28.36 43.74,28.21 43.74,27.78 43.95,27.57 44.36,27.57 44.46,27.47 44.46,26.89 44.25,26.68 43.95,26.68 43.74,26.47 43.74,26.16 44.1,25.81 v1(44.1,25.52)
LPDDR4_DQ11: length 29.9
  TOP w0.127: U1.AA6 v1(45.7,26.32) ; U2.F11 v1(45.48,16.9)
  L10_SIG3 w0.102: v1(45.48,16.9) 45.58,16.9 45.78,17.11 45.78,17.83 45.69,17.93 45.69,18.33 45.79,18.43 46.25,18.43 46.36,18.53 46.36,18.74 46.25,18.84 45.79,18.84 45.69,18.94 45.69,23.83 45.59,23.93 45.38,23.93 45.28,23.83 45.28,19.13 45.18,19.02 44.98,19.02 44.87,19.13 44.87,19.41 44.77,19.51 44.39,19.51 44.29,19.61 44.29,19.82 44.39,19.92 44.77,19.92 44.87,20.02 44.87,20.22 44.77,20.32 44.39,20.32 44.29,20.42 44.29,20.63 44.39,20.73 44.77,20.73 44.87,20.83 44.87,21.03 44.77,21.14 44.39,21.14 44.29,21.24 44.29,21.44 44.39,21.54 44.77,21.54 44.87,21.64 44.87,23.44 44.77,23.54 44.6,23.54 44.47,23.42 44.47,22.28 44.37,22.18 44.16,22.18 43.92,22.43 43.92,23.76 44.58,24.42 44.68,24.42 44.68,24.42 45.59,24.42 45.69,24.52 45.69,25.03 45.34,25.38 45.34,25.67 45.69,26.01 45.69,26.09 45.7,26.1 v1(45.7,26.32)
LPDDR4_DQ12: length 30.1
  TOP w0.127: U1.AB7 v1(46.5,26.32) ; U2.F9 v1(44.83,15.3)
  L10_SIG3 w0.102: v1(46.5,26.32) 46.09,25.92 46.09,19.83 46.85,19.08 46.85,18.2 46.45,17.81 46.45,16.61 46.35,16.5 45.9,16.5 45.8,16.4 45.8,15.81 45.9,15.7 46.35,15.7 46.45,15.6 46.45,15.33 46.8,14.98 46.89,14.98 47.1,14.77 47.1,14.55 47.45,14.2 47.45,13.59 46.79,12.93 46.5,12.93 46.35,13.08 46.35,13.53 46.48,13.67 46.9,13.67 47.03,13.79 47.03,14.1 46.93,14.2 46.57,14.2 46.43,14.34 46.43,14.63 46.16,14.9 45.9,14.9 45.8,14.8 45.8,13.23 45.7,13.12 45.38,13.12 45.27,13.23 45.27,13.98 45.17,14.08 44.93,14.08 44.8,13.95 44.8,13.04 44.68,12.92 44.51,12.92 44.42,13 44.42,13.21 44.3,13.34 44.07,13.34 43.92,13.18 43.92,13.02 43.81,12.92 43.6,12.92 43.44,13.07 43.44,13.41 44.17,14.14 44.4,14.14 44.5,14.24 44.5,14.98 v1(44.83,15.3)
LPDDR4_DQ13: length 29.9
  TOP w0.127: U1.AB8 v1(46.5,25.52) ; U2.E9 v1(44.18,15.3)
  L10_SIG3 w0.102: v1(46.5,25.52) 46.5,20 47.35,19.15 47.35,18.05 47.1,17.81 47.1,15.81 47.2,15.7 47.65,15.7 47.77,15.58 47.77,15.36 47.85,15.27 47.85,12.92 47.11,12.18 46.29,12.18 46.2,12.27 46.2,12.62 46.1,12.72 45.85,12.72 45.75,12.62 45.75,12.28 45.65,12.18 45.44,12.18 45.34,12.28 45.34,12.6 45.24,12.7 45.04,12.7 44.94,12.6 44.94,12.28 44.83,12.18 44.69,12.18 44.58,12.29 44.58,12.41 44.48,12.51 44.25,12.51 44.15,12.41 44.15,12.29 44.05,12.2 43.91,12.2 43.7,12.41 42.96,12.41 42.86,12.51 42.86,13.29 42.76,13.4 42.4,13.4 42.29,13.29 42.29,12.32 42.17,12.19 41.88,12.19 41.73,12.34 41.73,13.46 41.99,13.73 43.18,13.73 43.85,14.4 43.85,14.98 v1(44.18,15.3)
